# Altium PCB roach2.PcbDoc (part 9 of 39)
Units mil, origin at the board's own origin, x right, y up, seen from the top; angles counter-clockwise.
Board outline 12007.87 x 9606.3 mil, 16 copper layers (L1_TOP, L2_G, L3_S, L4_G, L5_S, L6_P, L7_G, L8_R, L9_R, L10_P, L11_P, L12_S, L13_P, L14_S, L15_G, L16_BOT), stack 81.651 mil thick; 1608 components, 1934 nets, 9335 pads, 6759 vias.
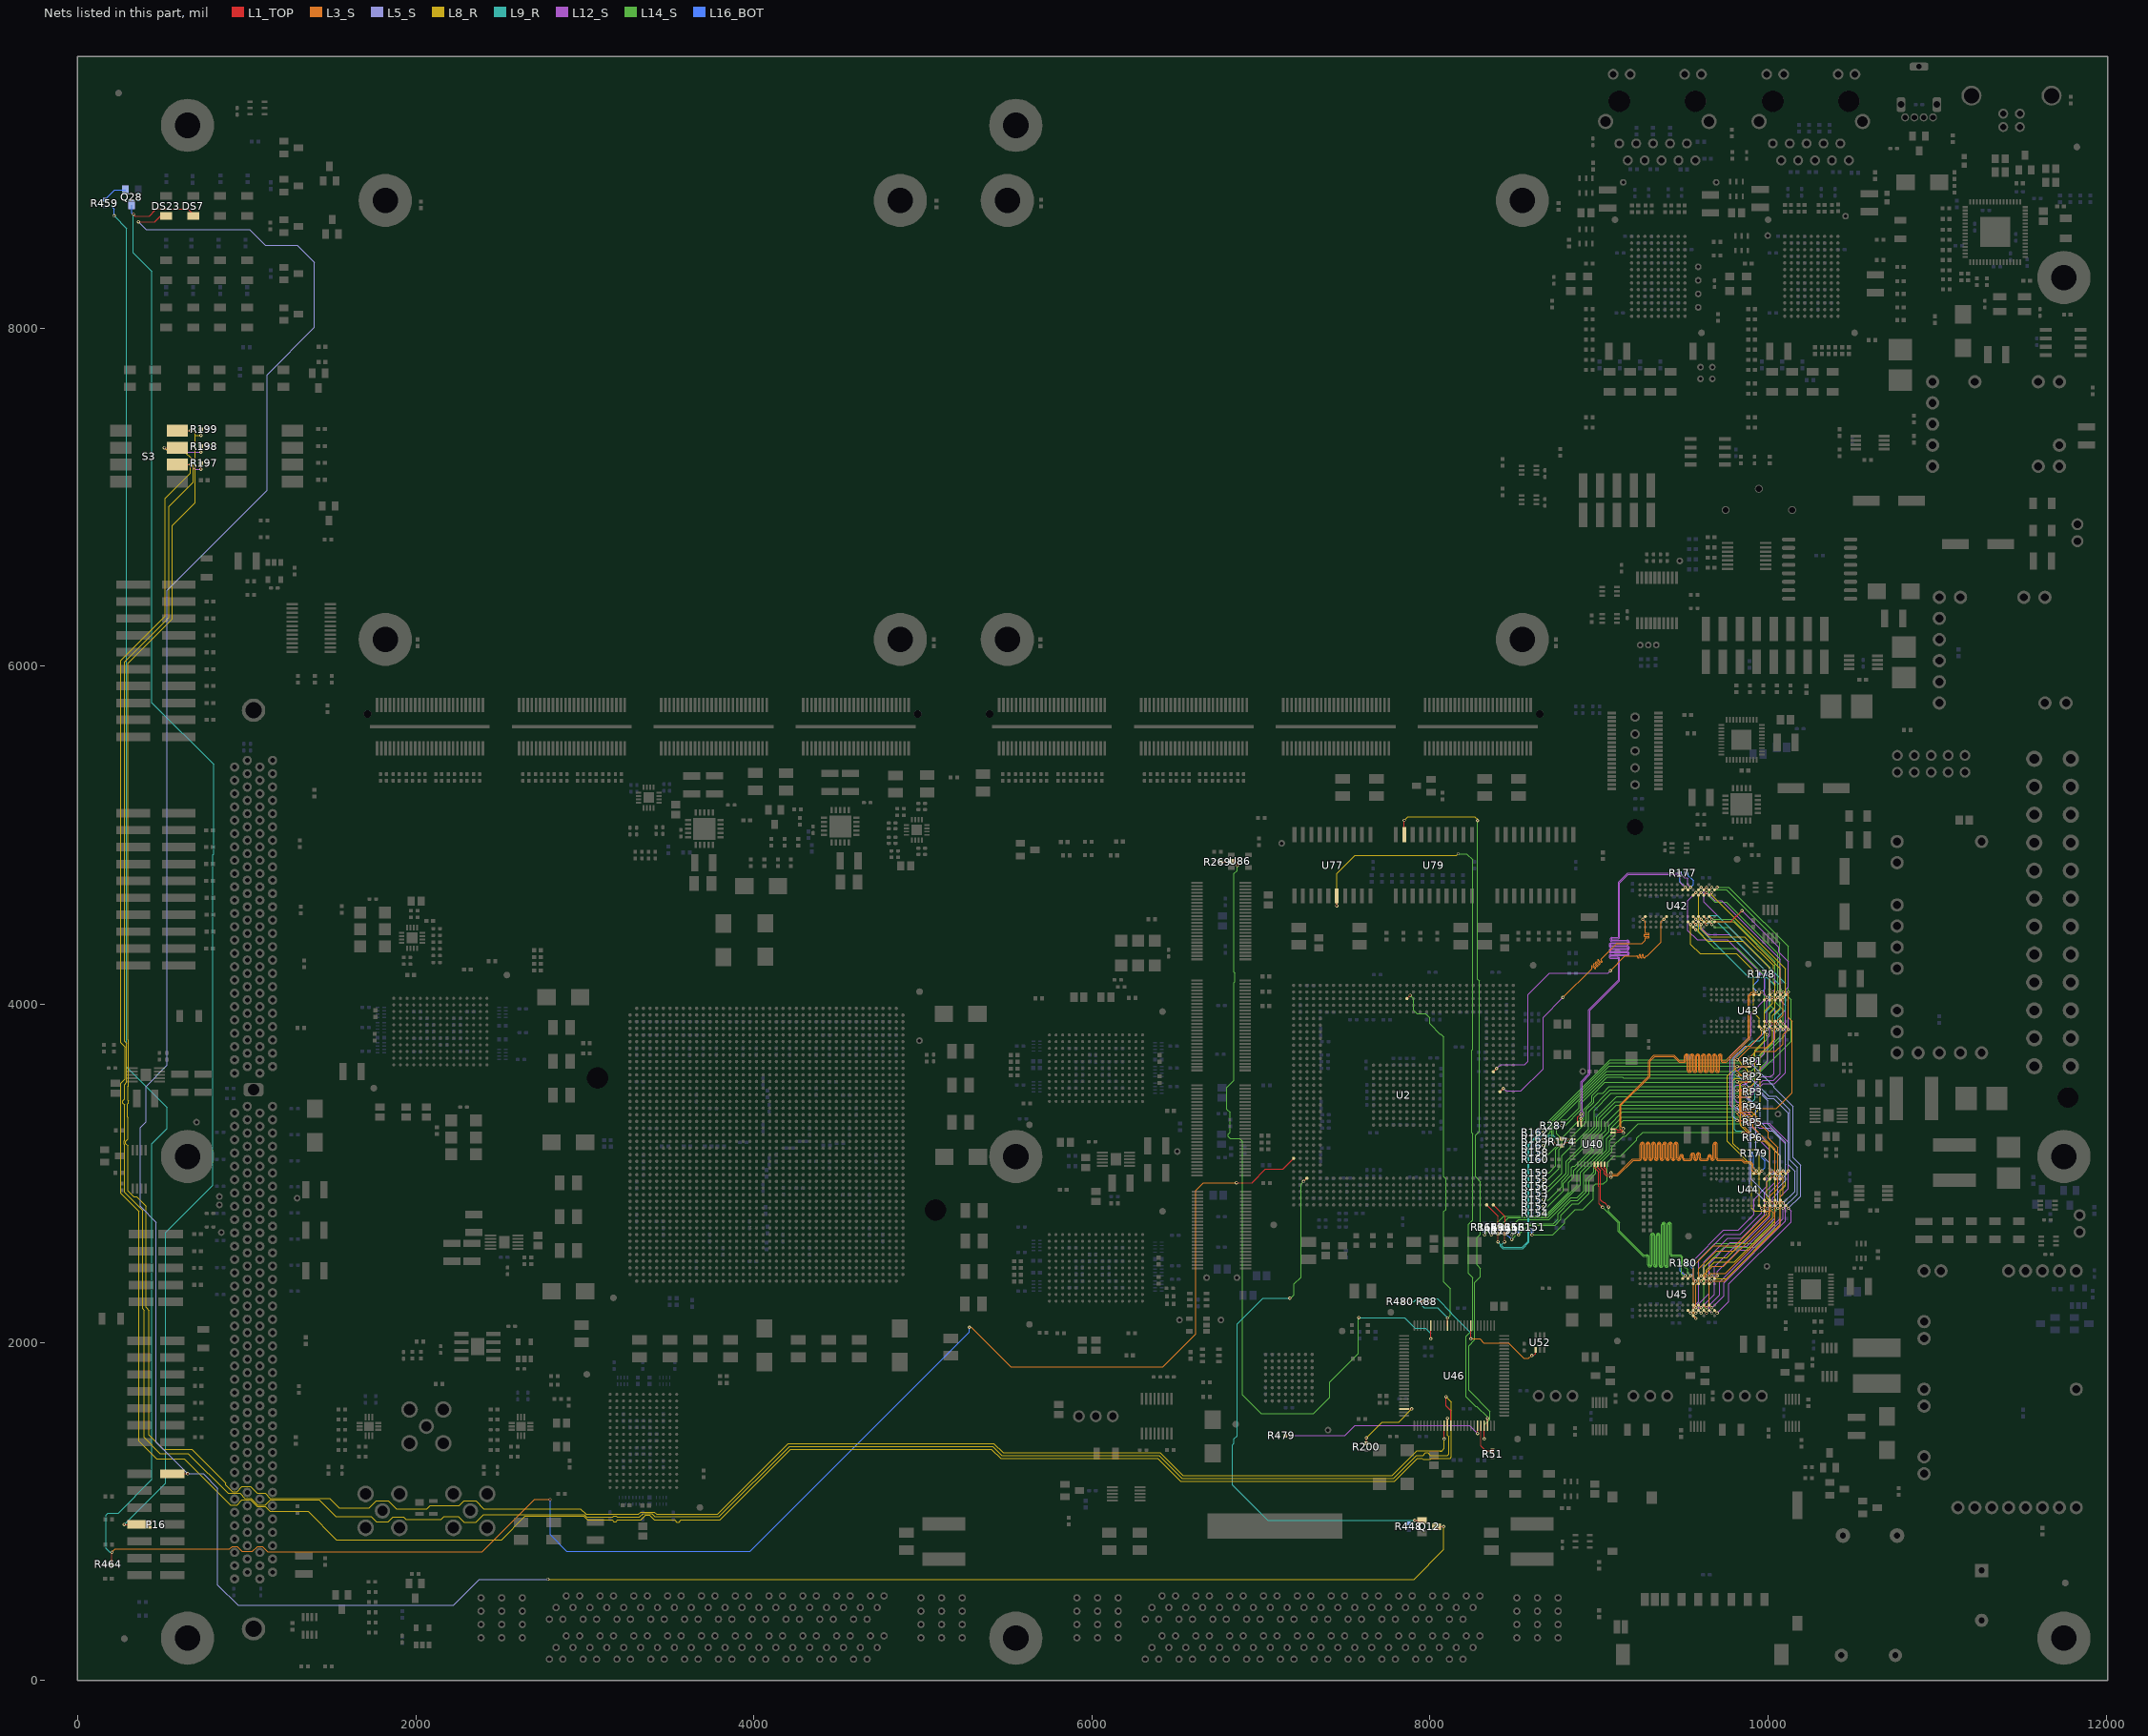
[diagram p23: the nets of this part, all layers, seen from the top]

## Via types
v1: diameter 19.4, hole 10, L1_TOP to L16_BOT, tented both sides, 3354 vias
v2: diameter 19.4, hole 10, L1_TOP to L16_BOT, 1884 vias
v3: diameter 19.4, hole 10, L1_TOP to L16_BOT, tented top, 410 vias
v4: diameter 18.6, hole 10, L1_TOP to L16_BOT, tented both sides, 311 vias
v5: diameter 59.06, hole 39.37, L1_TOP to L16_BOT, 217 vias
v6: diameter 19, hole 10, L1_TOP to L16_BOT, 198 vias
v7: diameter 19.4, hole 10.04, L1_TOP to L16_BOT, 125 vias
v8: diameter 19.4, hole 10, L1_TOP to L16_BOT, tented bottom, 80 vias
v9: diameter 25.98, hole 12.99, L1_TOP to L16_BOT, tented top, 59 vias
v10: diameter 20, hole 10, L1_TOP to L16_BOT, 52 vias
v11: diameter 59.06, hole 39.37, L1_TOP to L16_BOT, tented top, 44 vias
v12: diameter 20, hole 10, L1_TOP to L16_BOT, tented top, 16 vias
v13: diameter 19, hole 10, L1_TOP to L16_BOT, tented top, 5 vias
v14: diameter 50, hole 28, L1_TOP to L16_BOT, 4 vias

## Nets (pads, with @x,y where several pads share a name; then routed paths per layer and width w, separated by ;. In a path a pad name is that pad's centre, name@x,y a point inside that pad or via, vN(x,y) a via of type N, cw(c..) or ccw(c..) an arc to the next point about the centre after c; other vN are vias at no path point) (continued)
CONFIG_DIP5: R197.1 S3.2 U46.37 | length 15207
  L1_TOP w5: S3.2@590.31,7192.6 v2(667.51,7192.6) ; v2(729.31,7166.61) R197.1@729.31,7200.99 ; v2(8094.99,1678.78) 8094.99,1624.39 8123.31,1596.08 U46.37@8123.31,1506.73
  L8_R w5: v2(667.51,7192.6) 667.51,7143.51 517.99,6993.99 517.99,6296.79 255.99,6034.79 255.99,3773.63 281.19,3748.43 281.19,3558.28 255.99,3533.08 255.99,2881.48 362.99,2774.48 362.99,1414.99 466.99,1310.99 630.99,1310.99 903.13,1038.86 942.3,1038.86 971.04,1067.6 1022.21,1067.6 1061.58,1028.23 1109.74,1028.23 1138.49,999.49 1363.49,999.49 1529.97,833 2508,833 2647.17,972.17 2992.32,972.17 3015.5,948.99 3161.45,948.99 3171.15,939.29 3184.57,939.29 3194.27,948.99 3331.35,948.99 3360.87,978.51 3381.74,978.51 3411.26,948.99 3532.71,948.99 3544.6,937.11 3558.02,937.11 3569.9,948.99 3798.78,948.99 4217.6,1367.8 5406.01,1367.8 5459.83,1313.99 6389.83,1313.99 6524.83,1178.99 7791.16,1178.99 7926.16,1313.99 7952.31,1313.99 7958.98,1307.32 7966.22,1307.32 7966.57,1307.66 7994.9,1307.66 7995.24,1307.32 8002.48,1307.32 8008.16,1312.99 8118.99,1312.99 8126.99,1320.99 8126.99,1646.78 v2(8094.99,1678.78)
  L12_S w5: v2(667.51,7192.6) 693.51,7166.61 v2(729.31,7166.61)
CONFIG_DIP6: R198.1 S3.3 U46.36 | length 15182
  L1_TOP w5: v2(513.11,7293.39) S3.3@590.31,7293.39 ; v2(729.31,7266.61) R198.1@729.31,7300.99 ; U46.36@8103.62,1506.73 v3(8103.62,1551.94)
  L8_R w5: v2(513.11,7293.39) 527.51,7278.99 622.99,7278.99 683.71,7218.27 683.71,7089.71 538.99,6944.99 538.99,6288.09 276.99,6026.09 276.99,3782.33 290.19,3769.13 290.19,3537.58 276.99,3524.38 276.99,3440.33 266.49,3429.83 266.49,3416.16 276.99,3405.66 276.99,3194.63 275.79,3193.43 275.79,3172.55 276.99,3171.35 276.99,2888.65 383.99,2781.65 383.99,2197.99 392.99,2188.99 392.99,1436.99 486.99,1342.99 652.99,1342.99 889.01,1106.97 960.14,1106.97 988.88,1078.22 1024.32,1078.22 1063.69,1038.86 1109.74,1038.86 1140.11,1069.22 1429.78,1069.22 1528,971 1736,971 1768,939 1836,939 1865,968 1927,968 1942,953 2151,953 2168,970 2252,970 2285,937 2357,937 2401.17,981.17 2996.05,981.17 3011.23,965.99 3165.45,965.99 3171.15,971.69 3184.57,971.69 3190.27,965.99 3324.31,965.99 3345.83,987.51 3396.79,987.51 3414.79,969.51 3795.26,969.51 4210.56,1384.8 5413.05,1384.8 5466.87,1330.99 6396.87,1330.99 6531.87,1195.99 7784.12,1195.99 7919.12,1330.99 7959.35,1330.99 7964.53,1336.17 7964.53,1339.23 7974.02,1348.72 7987.44,1348.72 7996.93,1339.23 7996.93,1336.17 8002.11,1330.99 8102.99,1330.99 8110.99,1338.99 8110.99,1442.99 8103.62,1450.36 v3(8103.62,1551.94)
  L12_S w5: v2(513.11,7293.39) 539.89,7266.61 v2(729.31,7266.61)
CONFIG_DIP7: R199.1 S3.4 U46.35 | length 14784.3
  L1_TOP w5: S3.4@590.31,7392.99 v2(667.51,7392.99) ; v2(729.31,7366.61) R199.1@729.31,7400.99 ; v2(8083.94,1428.55) U46.35@8083.94,1506.73
  L8_R w5: v2(667.51,7392.99) 684.99,7392.99 694.99,7382.99 694.99,7364.99 ; v2(729.31,7366.61) 696.61,7366.61 694.99,7364.99 ; 8058.99,1356.99 8068.99,1356.99 ; v2(8083.94,1428.55) 8083.94,1371.94 8068.99,1356.99 ; 694.99,7364.99 694.99,6968.99 559.99,6833.99 559.99,6279.39 297.99,6017.39 297.99,3791.03 299.19,3789.83 299.19,3516.89 297.99,3515.69 297.99,3431.33 299.49,3429.83 299.49,3416.16 295.32,3411.98 295.32,3331.76 297.99,3329.09 297.99,3202.9 284.79,3189.7 284.79,3176.28 297.99,3163.08 297.99,2897.35 331.96,2863.38 348.08,2863.38 404.99,2806.47 404.99,2206.99 422.99,2188.99 422.99,1450.99 505.98,1368 675.98,1368 876.99,1166.99 876.99,1154.68 914.08,1117.59 942.3,1117.59 971.04,1146.34 1022.21,1146.34 1061.58,1106.97 1109.74,1106.97 1138.49,1078.22 1490.78,1078.22 1547,1022 1725,1022 1766,1063 1837,1063 1884,1016 2067,1016 2086,1035 2258,1035 2285,1062 2356,1062 2402,1016 2973.95,1016 3006.96,982.99 3317.27,982.99 3330.78,996.51 3411.83,996.51 3425.34,982.99 3784.7,982.99 4203.51,1401.8 5420.1,1401.8 5473.91,1347.99 6241.4,1347.99 6242.6,1346.79 6256.02,1346.79 6257.22,1347.99 6403.91,1347.99 6538.91,1212.99 7777.08,1212.99 7921.8,1357.72 8068.26,1357.72 8068.99,1356.99
CPLD_CLK: R200.2 U46.23 | length 417.4
  L1_TOP w5: R200.2@7622.99,1402.68 v2(7622.99,1434.99) ; U46.23@7846.73,1606.14 v3(7891.94,1606.14)
  L8_R w5: v2(7622.99,1434.99) 7716.99,1528.99 7814.79,1528.99 v3(7891.94,1606.14)
CPLD_IRQN: R88.1 U2.V32 U46.90 | length 2378.4
  L1_TOP w5: U2.V32@7862.68,4033.86 v1(7882.36,4053.54) ; v2@7931.31,2242.99 R88.1@7963.31,2242.99 ; U46.90@8103.62,2099.25 v3(8103.62,2144.46)
  L9_R w3.8: v2(7929.31,2242.99) 7929.31,2240.68 7964.99,2204.99 8043.09,2204.99 v3(8103.62,2144.46)
  L14_S w3.8: v1(7882.36,4053.54) 7902.99,4032.92 7902.99,3964.99 7922.99,3944.99 7972.99,3944.99 7998.99,3918.99 7998.99,3884.46 8058.46,3824.99 8062.99,3824.99 8080.99,3806.99 8080.99,2980.6 8094.81,2966.78 8094.81,2787.24 8080.99,2773.42 8080.99,2356.99 8118.99,2318.99 8118.99,2159.83 v3(8103.62,2144.46)
CPLD_LEDN: R51.1 U46.46 | length 199.7
  L1_TOP w5: U46.46@8300.47,1506.73 8300.47,1388.5 8329.29,1359.68 R51.1@8370,1359.68
CPLD_PRDY: R269.1 U46.95 U86.2 | length 5083.6
  L1_TOP w5: R269.1@6762.68,4842.99 6821.34,4842.99 U86.2@6824.8,4846.46 6851.53,4846.46 6860.99,4836.99 6860.99,4822.99 v2(6858.99,4820.99) ; v2(8005.2,2021.07) U46.95@8005.2,2099.25
  L9_R w3.8: v2(7578.99,2146.99) 7848.99,2146.99 7912.99,2082.99 7974.99,2082.99 8005.2,2052.79 v2(8005.2,2021.07)
  L14_S w3.8: v2(6858.99,4820.99) 6858.99,4790.99 6840.99,4772.99 6840.99,4706.52 6840.62,4706.15 6840.62,4191.42 6846.59,4185.45 6846.59,4134.42 6839.72,4127.55 6839.72,3601.55 6840.99,3600.28 6840.99,3550.99 6798.99,3508.99 6798.99,3378.99 6816.99,3360.99 6816.99,3243.05 6805.39,3231.45 6805.39,3218.53 6816.93,3206.99 6872.99,3206.99 6890.99,3188.99 6890.99,1688.99 7000.99,1578.99 7310.99,1578.99 7406.99,1674.99 7406.99,1764.99 7576.99,1934.99 7576.99,2144.99 v2(7578.99,2146.99)
CPLD_TCK: U46.48 U77.16 | length 4563.2
  L1_TOP w5: v2(7447.99,4583.31) U77.16@7447.99,4641.89 ; U46.48@8339.84,1506.73 v3(8339.84,1551.94)
  L8_R w3.8: v2(7447.99,4583.31) 7447.99,4773.99 7554.99,4880.99 8156.99,4880.99 v2(8167,4891)
  L14_S w3.8: v2(8167,4891) 8216.98,4891 8252.99,4854.99 8252.99,3732.62 8248.18,3727.81 8248.18,3239.6 8252.29,3235.49 8252.29,2723.15 8227.56,2698.42 8227.56,2408.32 8252.99,2382.89 8252.99,2074.99 8212.99,2034.99 8212.99,1678.79 8269.19,1622.59 8275.45,1622.59 8339.84,1558.2 v3(8339.84,1551.94)
CPLD_TDI: R479.2 U46.45 | length 1226.3
  L1_TOP w5: R479.2@7142.68,1447.99 v2@7174.68,1447.99 ; v3(8280.79,1461.52) U46.45@8280.79,1506.73
  L12_S w5: v2(7176.68,1447.99) 7495.99,1447.99 7556.99,1508.99 8233.32,1508.99 v3(8280.79,1461.52)
CPLD_TDO: R480.1 U46.83 U52.4 | length 1066.7
  L1_TOP w5: R480.1@7842.68,2242.99 v2@7874.68,2242.99 ; v2(8241.42,2021.07) U46.83@8241.42,2099.25 ; v6(8603,1922) 8611,1922 8624.41,1935.41 U52.4@8624.41,1956.54
  L3_S w3.94: v2(8241.42,2021.07) 8293.93,2021.07 8319.17,1995.83 8464.17,1995.83 8555,1905 8583,1905 v6@8601.5,1923.5
  L9_R w3.8: v2(7876.68,2242.99) 7907.25,2242.99 7922.85,2258.59 8043.14,2258.59 8127.39,2174.34 8127.39,2170.97 8241.42,2056.94 v2(8241.42,2021.07)
CPLD_TMS: U46.47 U79.9 | length 4416.7
  L1_TOP w5: U79.9@7847.99,5004.09 v2(7847.99,5088.42) ; v2(8320.16,1428.55) U46.47@8320.16,1506.73
  L8_R w3.8: v2(7847.99,5088.42) 7870.56,5110.99 8264.99,5110.99 8280.99,5094.99 v2(8280.99,5086.99)
  L14_S w3.8: v2(8280.99,5086.99) 8280.99,4149.42 8291.66,4138.75 8291.66,3247.59 8269.83,3225.76 8269.83,2979.47 8298.42,2950.89 8298.42,2640.42 8276.99,2618.99 8276.99,2459.09 8298.42,2437.67 8298.42,2387.56 8265.19,2354.33 8265.19,2015.04 8228.99,1978.84 8228.99,1717.05 8355.44,1590.6 8355.44,1545.48 8320.16,1510.2 v2(8320.16,1428.55)
CPU_ERR: Q28.1 R459.2 R464.1 U2.A8 | length 17668.8
  L1_TOP w5: R464.1@201.68,687 201.68,757.68 v6(203,759) ; v2(6855,2945) 6946.24,2945 7026.24,3025 7129.41,3025 U2.A8@7193.39,3088.98
  L3_S w5: v6(203,759) 220.79,776.79 898.86,776.79 914.08,792.01 942.3,792.01 971.04,763.26 1034.94,763.26 1063.69,792.01 1091.9,792.01 1123.91,760 2393.94,760 2703.94,1070 v6(2795,1070) ; v6(5275,2090) 5285,2090 5520,1855 6420,1855 6615,2050 6615,2900 6660,2945 v2(6855,2945)
  L9_R w5: v6(203,759) 191,759 168,782 168,978 180,990 240,990 440,1190 440,3175 530,3265 530,3390 290,3630 290,8590 v6(215,8665)
  L16_BOT w5: v6(215,8665) 215,8704.69 R459.2@160,8759.69 218.62,8818.31 Q28.1@282.6,8818.31 ; v6(2795,1070) 2795,862.81 2892.81,765 3977.95,765 5275,2062.05 v6(5275,2090)
CPU_ERR_LEDN: DS7.1 P16.8 Q28.3 | length 8709.4
  L1_TOP w5: v2(275.03,922.99) P16.8@365.55,922.99 ; v6(330,8675) 341.06,8663.94 423.94,8663.94 465,8705 653.43,8705 DS7.1@682.99,8675.44
  L9_R w5: v2(275.03,922.99) 520,1167.96 520,2650 800,2930 800,4885 805,4890 805,5420 440,5785 440,8335 330,8445 v6(330,8675)
  L16_BOT w5: Q28.3@320,8731.69 320,8680 325,8675 v6(330,8675)
CPU_RDY: Q12.1 R448.2 U2.C5 | length 3343.7
  L1_TOP w5: v1(7252.44,2951.18) U2.C5@7272.13,2970.87 ; v2(7909.87,946.97) Q12.1@7952.13,946.97
  L9_R w3.8: v2(7170.99,2260.99) 7010.99,2260.99 6858.99,2108.99 6858.99,1446.99 6840.99,1428.99 6840.99,1402.99 6830.99,1392.99 6830.99,1154.99 7039.02,946.97 v2(7909.87,946.97)
  L14_S w3.8: v2(7170.99,2260.99) 7174.99,2260.99 7195.19,2281.19 7195.19,2345.19 7236.84,2386.84 7236.84,2935.58 v1(7252.44,2951.18)
  L16_BOT w5: R448.2@7875.43,929.25 7892.15,929.25 v2(7909.87,946.97)
CPU_RDY_LEDN: DS23.1 P16.13 Q12.3 | length 17517.9
  L1_TOP w5: v6(360,8630) 455,8630 488.94,8663.94 DS23.1@522.99,8663.94 ; P16.13@560.43,1222.99 v2(650.95,1222.99) ; Q12.3@8038.74,909.57 v2(8081,909.57)
  L5_S w3.8: v6(360,8630) 405.71,8584.29 1015.71,8584.29 1110,8490 1300,8490 1400,8390 1400,8005 1120,7725 1120,7040 530,6450 530,3639.2 405,3514.2 405,3305 370,3270 370,2805 465,2710 465,1408.94 v2(650.95,1222.99) 742.99,1222.99 828.99,1136.99 828.99,564.99 948.99,444.99 2222.99,444.99 2374.99,596.99 2778.99,596.99 v2(2780.99,598.99)
  L8_R w3.8: v2(2780.99,598.99) 7904.99,598.99 8081,775 v2(8081,909.57)
DDR2.A0: R151.2 RP6.1 U42.M8 U43.M8 U44.M8 U45.M8 | length 4761.1
  L1_TOP w5: U45.M8@9588.58,2377.95 v4(9604.33,2393.7) ; U42.M8@9588.58,4677.17 v4(9604.33,4692.91) ; v2@9857.15,3241.52 RP6.1@9889.31,3241.52 RP6.1@9897.31,3241.52 ; U44.M8@10009.84,2998.03 v4(10025.59,3013.78) ; U43.M8@10009.84,4057.09 v4(10025.59,4072.83)
  L9_R w3.8: v2(9852.31,3240.31) 9840.62,3251.99 9809.99,3251.99 9801.71,3260.28 9801.71,3678.61 9810.84,3687.75 9814.75,3687.75 9910.99,3783.99 9950.99,3783.99 9978.49,3811.49 9978.49,3947.49 10009.99,3978.99 10009.99,4057.23 v4(10025.59,4072.83)
  L12_S w3.8: v4(9604.33,2393.7) 9619.99,2409.36 9619.99,2476.99 9760.99,2617.99 9841.99,2617.99 9978.49,2754.49 9978.49,2884.49 10041.19,2947.19 10041.19,2998.18 v4(10025.59,3013.78) 10009.99,3029.38 10009.99,3135.99 9905.68,3240.31 v2(9852.31,3240.31) ; v4(9604.33,4692.91) 9604.33,4692.62 9619.93,4677.02 9619.93,4606.05 10041.19,4184.79 10041.19,4088.43 v4(10025.59,4072.83)
  L14_S w3.8: v2(8603.31,2635.31) 8725.31,2635.31 8798.39,2708.39 8798.39,2724.45 8858.93,2784.99 8902.99,2784.99 8964.99,2846.99 8964.99,2922.99 8980.99,2938.99 9026.99,2938.99 9046.99,2958.99 9046.99,3060.99 9086.99,3100.99 9128.42,3100.99 9224.12,3196.69 9224.12,3208.12 9258.52,3242.52 9850.09,3242.52 v2(9852.31,3240.31)
  L16_BOT w5: R151.2@8602.99,2663.31 8602.99,2635.62 v2(8603.31,2635.31)
DDR2.A1: R152.2 RP4.1 U42.M3 U43.M3 U44.M3 U45.M3 | length 4937.8
  L1_TOP w5: U45.M3@9588.58,2220.47 v4(9604.33,2204.72) ; U42.M3@9588.58,4519.68 v4(9604.33,4503.94) ; v2@9857.15,3421.52 9857.46,3421.52 RP4.1@9889.31,3421.52 RP4.1@9897.31,3421.52 ; U44.M3@10009.84,2840.55 v4(10025.59,2824.8) ; U43.M3@10009.84,3899.61 v4(10025.59,3883.86)
  L8_R w3.8: v4(9604.33,4503.94) 9619.93,4488.34 9795.65,4488.34 10072.69,4211.3 10072.69,3979.69 10025.59,3932.59 v4(10025.59,3883.86)
  L12_S w3.8: v4(9604.33,2204.72) 9682.92,2283.32 9682.92,2446.92 9804.99,2568.99 9873.99,2568.99 10041.19,2736.19 10041.19,2809.2 v4(10025.59,2824.8) 10025.59,2853.59 10104.18,2932.18 10104.18,3051.74 10102.99,3052.93 10102.99,3175.05 10011.05,3266.99 9948.99,3266.99 9841.86,3374.12 9841.86,3388.93 9857.46,3404.53 v2(9857.46,3421.83) 9817.15,3421.83 9799.99,3438.99 9799.99,3508.99 9811.99,3520.99 9844.56,3520.99 9851,3527.43 9863.93,3527.43 9866.68,3524.68 9998.99,3656.99 9998.99,3803.7 10009.69,3814.4 10009.69,3867.96 v4(10025.59,3883.86)
  L14_S w3.8: v2(8670.68,2803.31) 8695.31,2803.31 8787.39,2895.39 8787.39,2941.39 8836.99,2990.99 8836.99,3034.99 8844.99,3042.99 8855.51,3042.99 8942.99,3130.48 8947.2,3130.48 8958.26,3141.54 8958.26,3220.26 9000.99,3262.99 9000.99,3326.99 9096.52,3422.52 9856.78,3422.52 v2(9857.46,3421.83)
  L16_BOT w5: R152.2@8642.68,2802.99 8670.36,2802.99 v2(8670.68,2803.31)
DDR2.A2: R153.2 RP3.3 U42.M7 U43.M7 U44.M7 U45.M7 | length 4787.7
  L1_TOP w5: U45.M7@9588.58,2346.46 v4(9604.33,2362.2) ; U42.M7@9588.58,4645.67 v4(9604.33,4661.42) ; v2@9857.15,3472.15 9857.46,3472.15 RP3.3@9889.31,3472.15 RP3.3@9897.31,3472.15 ; U44.M7@10009.84,2966.54 v4(10025.59,2982.28) ; U43.M7@10009.84,4025.59 v4(10025.59,4041.34)
  L5_S w3.8: v2(9857.46,3472.46) 9951.99,3377.94 9951.99,3306.99 10006.39,3252.59 10025.45,3252.59 10072.69,3205.36 10072.69,2975.82 10063.55,2966.68 10041.19,2966.68 v4(10025.59,2982.28)
  L8_R w3.8: v4(9604.33,2362.2) 9619.93,2377.8 9619.93,2443.93 9676.09,2500.09 9755.09,2500.09 10009.69,2754.69 10009.69,2838.29 9994.09,2853.89 9994.09,2950.79 v4(10025.59,2982.28) ; v4(9604.33,4661.42) 9588.73,4645.82 9588.73,4429.25 9642.99,4374.99 9850.99,4374.99 10009.99,4215.99 10009.99,4056.94 v4(10025.59,4041.34) 10025.59,4006.49 9978.49,3959.39 9978.49,3885.99 9978.2,3885.7 9978.2,3784.2 9922.99,3728.99 9922.99,3537.99 v2(9857.46,3472.46)
  L14_S w3.8: v2(8670.68,2883.31) 8691.31,2883.31 8806.99,2998.99 8806.99,3070.99 8896.99,3160.99 8896.99,3202.99 8970.99,3276.99 8970.99,3372.99 9071.15,3473.15 9856.78,3473.15 v2(9857.46,3472.46)
  L16_BOT w5: R153.2@8642.68,2882.99 8670.36,2882.99 v2(8670.68,2883.31)
DDR2.A3: R154.2 RP4.2 U42.N2 U43.N2 U44.N2 U45.N2 | length 4855.1
  L1_TOP w5: U45.N2@9620.08,2188.98 v4(9635.83,2173.23) ; U42.N2@9620.08,4488.19 v4(9635.83,4472.44) ; v2@9816.99,3401.83 9817.31,3401.83 RP4.2@9889.31,3401.83 RP4.2@9897.31,3401.83 ; U44.N2@10041.34,2809.06 v4(10057.09,2793.31) ; U43.N2@10041.34,3868.11 v4(10057.09,3852.36)
  L5_S w3.8: v2(9817.31,3402.15) 9817.31,3384.84 9832.91,3369.24 9842.12,3369.24 9898.79,3312.57 9898.79,2966.19 10009.99,2854.99 10009.99,2818.34 10019.13,2809.2 10041.19,2809.2 v4(10057.09,2793.31)
  L9_R w3.8: v4(9635.83,4472.44) 9651.43,4488.04 9696.94,4488.04 10072.69,4112.3 10072.69,3970.69 10041.49,3939.49 10041.49,3867.96 v4(10057.09,3852.36) 10057.09,3852.07 10041.49,3836.47 10041.49,3792.49 9920.99,3671.99 9920.99,3440.99 9882.15,3402.15 v2(9817.31,3402.15)
  L14_S w3.8: v2(8670.68,2763.31) 8695.31,2763.31 8818.99,2886.99 8818.99,2946.99 8850.99,2978.99 8850.99,3016.99 8966.06,3132.06 8966.06,3208.06 9014.99,3256.99 9014.99,3316.99 9100.83,3402.83 9816.62,3402.83 v2(9817.31,3402.15) ; v4(9635.83,2173.23) 9620.23,2188.83 9620.23,2444.23 9739.99,2563.99 9925.99,2563.99 10041.49,2679.49 10041.49,2777.71 v4(10057.09,2793.31)
  L16_BOT w5: R154.2@8642.68,2762.99 8670.36,2762.99 v2(8670.68,2763.31)
DDR2.A4: R155.2 RP3.1 U42.N8 U43.N8 U44.N8 U45.N8 | length 4720.2
  L1_TOP w5: U45.N8@9620.08,2377.95 v4(9635.83,2393.7) ; U42.N8@9620.08,4677.17 v4(9635.83,4692.91) ; v2@9857.15,3511.52 9857.46,3511.52 RP3.1@9889.31,3511.52 RP3.1@9897.31,3511.52 ; U44.N8@10041.34,2998.03 v4(10057.09,3013.78) ; U43.N8@10041.34,4057.09 v4(10057.09,4072.83)
  L3_S w3.8: v2(9857.46,3511.83) 9841.86,3496.23 9841.86,3376 9851,3366.86 9900.12,3366.86 9934.99,3331.99 9934.99,3306.99 9999.99,3241.99 9999.99,3209.99 10057.09,3152.9 v4(10057.09,3013.78)
  L8_R w3.8: v4(9635.83,2393.7) 9635.83,2428.97 9683.85,2476.99 9800.99,2476.99 10041.19,2717.19 10041.19,2997.88 v4(10057.09,3013.78)
  L12_S w3.8: v2(9857.46,3511.83) 9901.83,3511.83 9961.99,3571.99 10016.05,3571.99 10034.59,3590.53 10034.59,3839.3 10041.19,3845.9 10041.19,4056.94 v4(10057.09,4072.83)
  L14_S w3.8: v2(8670.68,2963.31) 8697.31,2963.31 8762.99,3028.99 8762.99,3140.99 8924.99,3302.99 8924.99,3376.99 8968.99,3420.99 8968.99,3448.99 8993.39,3473.39 9021.45,3473.39 9060.58,3512.52 9392.99,3512.52 ; 9395.15,3512.52 9392.99,3512.52 ; v4(9635.83,4692.91) 9651.72,4677.02 9651.72,4638.26 9685.99,4603.99 9752.99,4603.99 10057.09,4299.9 v4(10057.09,4072.83) ; v2(9857.46,3511.83) 9856.78,3512.52 9392.99,3512.52
  L16_BOT w5: R155.2@8642.68,2962.99 8670.36,2962.99 v2(8670.68,2963.31)
DDR2.A5: R156.2 RP3.2 U42.N3 U43.N3 U44.N3 U45.N3 | length 4926.7
  L1_TOP w5: U45.N3@9620.08,2220.47 v4(9635.83,2204.72) ; U42.N3@9620.08,4519.68 v4(9635.83,4503.94) ; v2@9816.99,3491.83 9817.31,3491.83 RP3.2@9889.31,3491.83 RP3.2@9897.31,3491.83 ; U44.N3@10041.34,2840.55 v4(10057.09,2824.8) ; U43.N3@10041.34,3899.61 v4(10057.09,3883.86)
  L3_S w3.8: v4(9635.83,2204.72) 9651.72,2220.62 9651.72,2400.16 9660.86,2409.3 9748.3,2409.3 10041.49,2702.49 10041.49,2809.2 v4(10057.09,2824.8)
  L5_S w3.8: v2(9817.31,3492.15) 9936.84,3492.15 9998.99,3429.99 9998.99,3290.08 10104.18,3184.89 10104.18,2958.88 10057.09,2911.79 v4(10057.09,2824.8)
  L9_R w3.8: v4(9635.83,4503.94) 9658.88,4526.99 9699.99,4526.99 10104.18,4122.8 10104.18,3968.18 10057.09,3921.09 v4(10057.09,3883.86)
  L12_S w3.8: v2(9817.31,3492.15) 9911.15,3492.15 9923.99,3504.99 ; 9925.99,3506.99 9923.99,3504.99 ; v4(10057.09,3883.86) 10057.09,3883.56 10072.69,3867.96 10072.69,3589.69 10032.99,3549.99 9968.99,3549.99 9923.99,3504.99
  L14_S w3.8: v3(8670.68,2923.31) 8703.31,2923.31 8780.99,3000.99 8780.99,3104.99 8937.39,3261.39 8937.39,3365.39 9064.83,3492.83 9816.62,3492.83 v2(9817.31,3492.15)
  L16_BOT w5: R156.2@8642.68,2922.99 8670.36,2922.99 v3(8670.68,2923.31)
DDR2.A6: R157.2 RP3.4 U42.N7 U43.N7 U44.N7 U45.N7 | length 4836.5
  L1_TOP w5: U45.N7@9620.08,2346.46 v4(9635.83,2362.2) ; U42.N7@9620.08,4645.67 v4(9635.83,4661.42) ; v2@9816.99,3452.46 9817.31,3452.46 RP3.4@9889.31,3452.46 RP3.4@9897.31,3452.46 ; U44.N7@10041.34,2966.54 v4(10057.09,2982.28) ; U43.N7@10041.34,4025.59 v4(10057.09,4041.34)
  L3_S w3.8: v4(9635.83,2362.2) 9620.23,2377.8 9620.23,2400.16 9670.74,2450.68 9736.68,2450.68 10030.99,2744.99 10030.99,2765.84 10009.99,2786.85 10009.99,2863.99 10057.09,2911.09 v4(10057.09,2982.28)
  L5_S w3.8: v2(9817.31,3452.78) 9866.05,3452.78 9926.99,3391.84 9926.99,3142.99 10009.69,3060.29 10009.69,3007.61 10019.13,2998.18 10041.19,2998.18 v4(10057.09,2982.28)
  L12_S w3.8: v4(9635.83,4661.42) 9684.25,4612.99 9724.99,4612.99 10072.69,4265.3 10072.69,4056.94 v4(10057.09,4041.34) 10104.18,3994.24 10104.18,3596.18 10037.99,3529.99 9968.99,3529.99 9891.78,3452.78 v2(9817.31,3452.78)
  L14_S w3.8: v2(8670.68,2843.31) 8702,2843.31 8779.22,2920.53 8779.22,2953.22 8820.99,2994.99 8820.99,3063.24 8912.99,3155.24 8912.99,3198.99 8984.99,3270.99 8984.99,3334.99 9103.46,3453.46 9816.62,3453.46 v2(9817.31,3452.78)
  L16_BOT w5: R157.2@8642.68,2842.99 8670.36,2842.99 v2(8670.68,2843.31)
DDR2.A7: R158.2 RP2.1 U42.P2 U43.P2 U44.P2 U45.P2 | length 4625.5
  L1_TOP w5: U45.P2@9651.57,2188.98 v4(9667.32,2173.23) ; U42.P2@9651.57,4488.19 v4(9667.32,4472.44) ; v2@9857.15,3601.52 9857.46,3601.52 RP2.1@9889.31,3601.52 RP2.1@9897.31,3601.52 ; U44.P2@10072.83,2809.06 v4(10088.58,2793.31) ; U43.P2@10072.83,3868.11 v4(10088.58,3852.36)
  L5_S w3.8: v2(9857.46,3601.83) 10003.31,3455.99 10045.99,3455.99 10126.99,3374.99 10126.99,3078.99 10171.99,3033.99 10171.99,2876.72 v4(10088.58,2793.31)